# Allegro board TubiiPCB_V6.brd (continued)
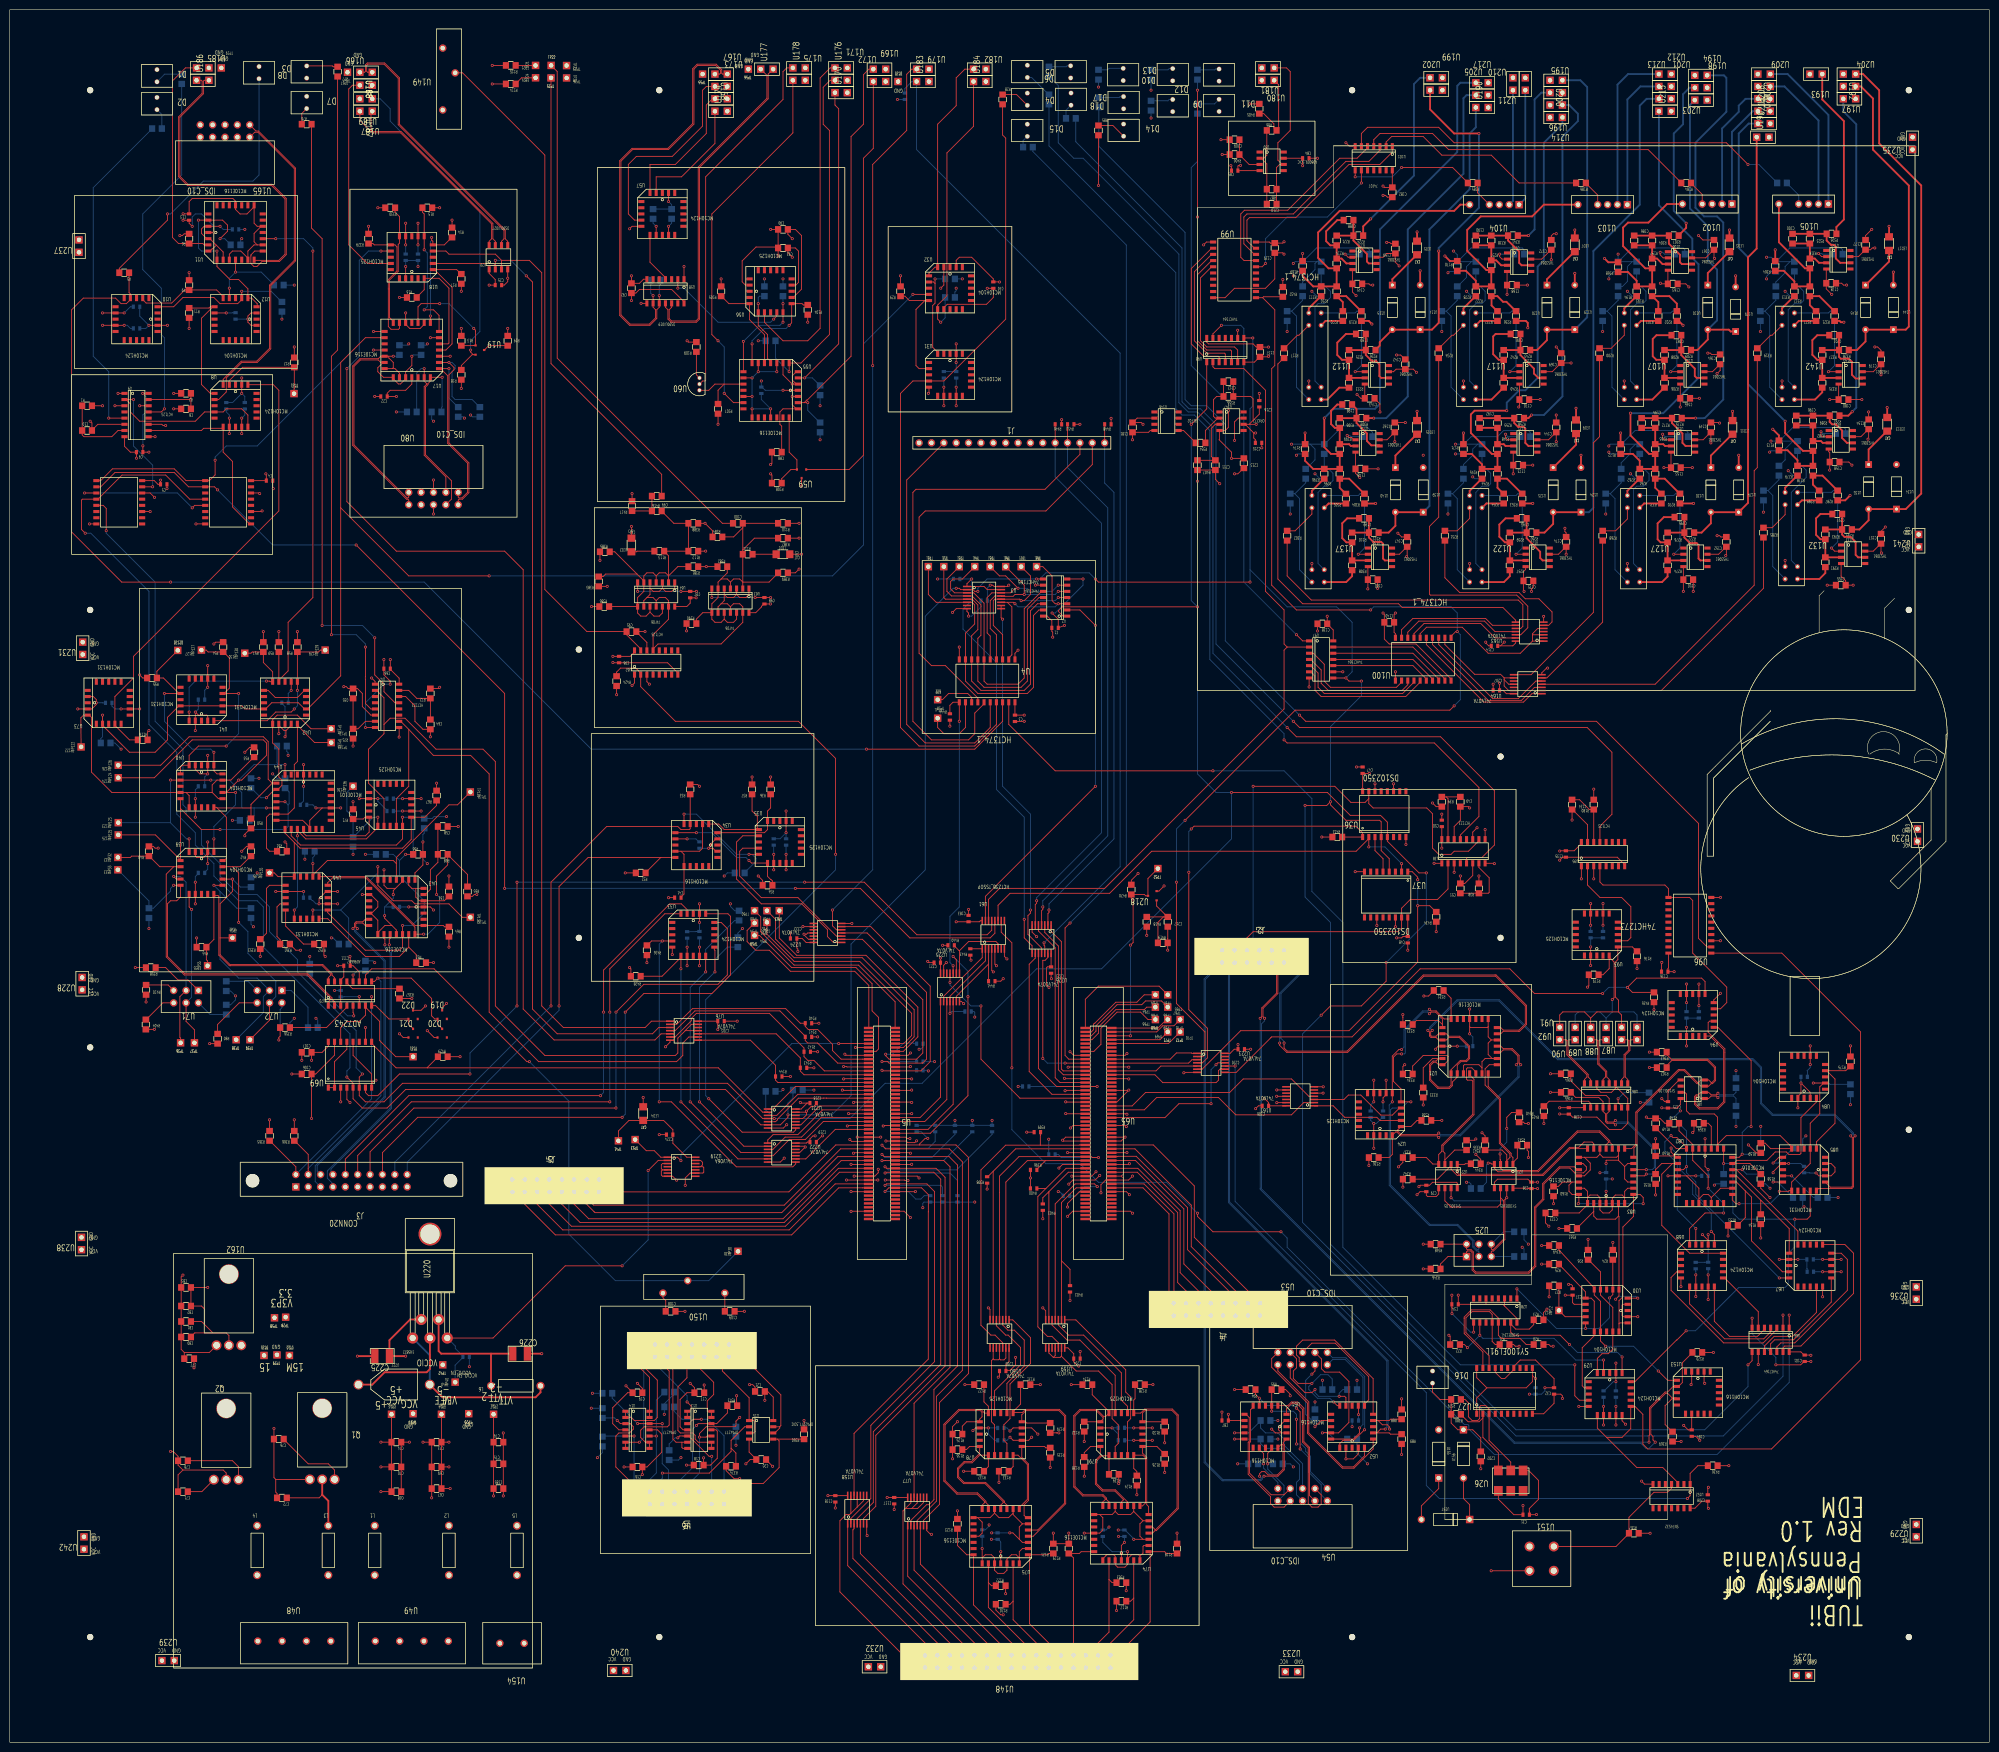
[diagram p0: board, top side]
## Nets (continued)
VTT: C75.2(B<0>) C79.2(B<0>) C185.2(B<0>) L5.2(B<0>) R6.1(A<0>) R7.1(A<0>) R8.1(A<0>) R9.1(A<0>) R10.1(A<0>) R11.1(A<0>) R12.1(A<0>) R13.2(B<0>) R14.2(B<0>) R15.2(B<0>) R16.2(B<0>) R17.2(B<0>) R20.1(A<0>) R21.1(A<0>) R22.1(A<0>) R23.1(A<0>) R24.1(A<0>) R25.1(A<0>) R26.1(A<0>) R27.1(A<0>) R29.1(A<0>) R30.1(A<0>) R31.1(A<0>) R32.1(A<0>) R33.1(A<0>) R34.1(A<0>) R35.1(A<0>) R36.1(A<0>) R37.1(A<0>) R42.1(A<0>) R43.1(A<0>) R44.1(A<0>) R45.1(A<0>) R46.1(A<0>) R48.1(A<0>) R49.1(A<0>) R50.1(A<0>) R51.1(A<0>) R52.1(A<0>) R53.1(A<0>) R54.1(A<0>) R55.1(A<0>) R56.1(A<0>) R57.1(A<0>) R58.1(A<0>) R59.1(A<0>) R60.1(A<0>) R61.1(A<0>) R62.1(A<0>) R63.1(A<0>) R64.1(A<0>) R65.1(A<0>) R67.1(A<0>) R69.1(A<0>) R70.1(A<0>) R71.1(A<0>) R73.2(B<0>) R74.2(B<0>) R84.2(B<0>) R88.1(A<0>) R89.1(A<0>) R90.1(A<0>) R91.1(A<0>) R92.1(A<0>) R93.1(A<0>) R94.1(A<0>) R95.1(A<0>) R96.1(A<0>) R97.1(A<0>) R98.1(A<0>) R99.1(A<0>) R100.1(A<0>) R101.1(A<0>) R102.1(A<0>) R103.1(A<0>) R104.1(A<0>) R105.1(A<0>) R106.1(A<0>) R107.1(A<0>) R116.1(A<0>) R117.1(A<0>) R118.1(A<0>) R119.1(A<0>) R120.1(A<0>) R121.1(A<0>) R122.1(A<0>) R123.1(A<0>) R124.2(B<0>) R125.1(A<0>) R126.2(B<0>) R127.1(A<0>) R128.2(B<0>) R129.1(A<0>) R130.2(B<0>) R131.1(A<0>) R132.2(B<0>) R133.1(A<0>) R134.2(B<0>) R135.1(A<0>) R136.1(A<0>) R137.1(A<0>) R138.2(B<0>) R139.2(B<0>) R148.2(B<0>) R149.2(B<0>) R150.2(B<0>) R151.2(B<0>) R152.2(B<0>) R153.2(B<0>) R154.2(B<0>) R155.2(B<0>) R156.2(B<0>) R157.2(B<0>) R158.1(A<0>) R159.2(B<0>) R160.1(A<0>) R161.1(A<0>) R162.1(A<0>) R163.1(A<0>) R164.1(A<0>) R165.1(A<0>) R166.1(A<0>) R175.1(A<0>) R176.1(A<0>) R177.2(B<0>) R178.2(B<0>) R179.1(A<0>) R187.1(A<0>) R188.1(A<0>) R189.1(A<0>) R190.1(A<0>) R191.1(A<0>) R192.1(A<0>) R329.1(A<0>) R330.1(A<0>) R331.1(A<0>) R332.1(A<0>) R333.1(A<0>) R334.1(A<0>) R335.2(B<0>) R336.1(A<0>) R337.2(B<0>) R338.1(A<0>) R339.1(A<0>) R340.1(A<0>) R341.1(A<0>) R342.2(B<0>) R343.1(A<0>) R344.2(B<0>) R345.1(A<0>) R346.1(A<0>) R347.1(A<0>) R348.1(A<0>) R349.1(A<0>) R363.1(A<0>) R369.2(B<0>) R370.2(B<0>) TP17.1(A)
VTT_RAW: L5.1(A<0>) U154.1

Pads without a net: D19 2; D20 2; D21 2; D22 2; J1 4 5 6 7 8 9 10 11; Q1 4; Q2 4; U1 6 7 9 10 12 13; U3 7; U5 25 29 31 35 37 41 43 56 87 88 89 90 91 92 93 94 97 98 99 100; U7 3 6 7 10 12 13 15; U8 1 6 8 11 14 15 16 17 18; U9 4 12; U10 1 2 4 6 8 9 11 13 14 15 16 17 18 19; U11 9 15 17 18 20 21 23 24 25 26; U12 1 6 11 12 13 14 15 16 17 18 19; U17 2 15; U18 1 2 6 11 16 18 19; U21 2 20 21 23 24; U24 1 2 6 11 13 14 15 16 17 18 19; U26 1 2; U27 4 5 6 7 8 9 12 13 15 16; U28 2 4 5 7 8 11 14; U29 1 4 6 11 15 16 17; U30 1 6 11 16; U31 1 2 4 6 9 11 13 14 15 16 17 18 19; U32 1 6 11 12 13 14 15 16 17 18 19; U33 1 4 5 6 11 15 16 17; U34 1 6 11 15 16 17 18 19; U35 1 2 6 11 13 14 15 16 17 18 19; U36 6 7 9 10 12 13; U37 3 6 7 9 10 12 13; U38 4 12; U39 1 6 11 12 16; U40 1 6 11 12 16; U41 1 4 6 8 9 11 12 13 14 16 18; U42 1 4 6 7 11 15 16 18; U43 9 12 14 15 27 28; U44 2 3 7 17 18 19 20 22 23 24 25 26 27 28; U45 1 2 6 11 13 14 15 16 17 18 19; U46 1 6 7 11 15 16; U47 3 4 11 12; U50 1 5 8; U51 1 6 11 14 16; U52 1 6 11 14 16; U55 15 18 20 21 23 24; U56 1 2 6 11 13 14 15 16 17 18 19; U57 1 4 5 6 11 13 14 15 16 17 18 19; U58 3 5 6 13; U61 7 9; U62 4 5 6 7 9 10 11 12; U65 11 12 13 29 31 35 37 42 44 48 49 50 53 54 55 56 87 88 89 90 91 92 93 94 97 98 99 100; U67 1 4 5 6 11 15 16 17; U68 1 4 5 6 11 15 16 17; U69 11; U73 1 4 6 8 9 11 12 13 14 15 16 17 18 19; U74 20 21 23 24; U75 20 21 23 24; U76 12; U77 8 10; U78 1 2 6 11 16; U79 1 2 6 11 16; U80 3 4; U81 6; U82 2 9 10 11 12 13 15 17 18; U84 1 4 6 8 9 11 12 13 14 15 16 17 18 19; U85 1 3 6 7 11 15 16; U86 11 14; U93 1 2 6 7 8 9 11 13 14 15 16 17 18 19; U94 1 2 6 11 13 14 15 16 17 18 19; U95 5 6 7 9 10 11 12; U96 4 5 6 7 8 9 12 13 14 15 16 17 18 19; U98 10 11 12; U99 6 7 8 9 12 13 14 15; U101 10 11 12 13; U106 1 5 8; U108 1 5 8; U111 1 5 8; U113 1 5 8; U116 1 5 8; U118 1 5 8; U121 1 5 8; U123 1 5 8; U126 1 5 8; U128 1 5 8; U131 1 5 8; U133 1 5 8; U136 1 5 8; U138 1 5 8; U141 1 5 8; U143 1 5 8; U146 1 3 6 7 8; U147 1 5 8; U151 2 4; U152 2 5 6 8 9 10 11 12 13; U153 1 3 6 8 9 11 12 13 14 15 16 17 18 19; U158 8 10; U159 8 10; U160 8 10; U161 6 8 10 12; U162 4; U163 2 4; U164 10 12; U165 3 4 7 8 9 10; U219 4 6 8 10 12; U220 6; U221 10 12; U222 10 12; U223 12 13; U224 8 10 12; U225 12

## Via types
v1: diameter 0.61, hole 0.33, TOP to BOTTOM, 1331 vias

## Routing (per net, layer and track width the routed paths; a pad name or vN(x,y) marks a point on that pad's centre or on a via; arc(x,y) is an arc through that point)
GND: length 5947.8
  TOP w0.178: U4.10 v1(194.94,224.79) ; v1(347.98,73.66) 347.85,73.79 U153.20 ; C123.1 315.31,106.59 v1(315.98,105.92) ; 330.28,119.46 327.76,119.46 327.74,119.43 v1(327.74,118.79) ; 330.28,119.46 330.28,119.43 331.55,118.16 ; 330.28,119.46 330.28,120.47 ; 306.89,89.53 309.43,86.99 U28.16 ; 306.89,89.53 306.53,89.89 303.08,89.89 ; 306.89,89.53 U28.3 ; R80.1 v1(41.04,143.4) ; v1(78.11,217.17) 78.11,217.81 76.81,219.1 C66.2 v1(76.81,222.22) ; v1(200.91,89.15) 201.25,88.81 U160.7 ; C180.2 v1(380.24,275.59) ; v1(230.5,108.59) 230.09,109 U65.95 ; U225.13 191.73,159.48 v1(192.28,160.02) ; U161.7 v1(269.66,134.53) ; C206.2 256.36,130.63 v1(255.78,130.05) ; v1(251.46,260.35) 252.14,260.35 253.31,261.52 C213.1 ; v1(350.52,247.65) 351.04,247.65 351.31,247.38 C152.1 ; U5.72 172.74,118.6 v1(172.72,118.62) ; U161.9 v1(260.12,133.88) ; v1(284.99,248.16) 285.77,247.38 C147.1 ; v1(220.34,238.76) U2.7 ; U44.16 61.59,187.77 ; 61.59,187.77 60.13,189.23 U44.11 ; 61.59,187.77 61.59,189.23 64.14,191.77 ; 331.55,118.16 331.55,115.62 332.18,114.98 U83.7 ; 331.55,118.16 332.18,118.79 U83.10 ; U65.72 216.14,118.6 v1(215.39,117.86) ; U84.2 369.65,133.4 v1(367.74,135.3) 367.74,133.21 367.11,132.57 U84.20 v1(367.11,130.22) ; v1(274.32,328.3) 275.02,327.6 U101.7 ; v1(315.17,72.77) C32.2 317.05,74.65 313.24,78.46 310.11,78.46 308.79,77.13 U27.14 308.79,76.5 306.94,74.65 306.25,74.65 304.98,75.92 U27.17 ; v1(149.86,54.1) 148.72,54.1 147.08,55.74 R374.1 ; 348.69,103.01 U68.20 ; 348.69,103.01 v1(348.69,104.19) ; 348.69,103.01 v1(347.51,104.19) ; 50.17,315.15 50.17,311.79 50.8,311.15 51.63,311.15 ; 50.17,315.15 48.7,313.69 47.28,313.69 46.36,314.61 U11.22 46.36,316.32 45.81,316.87 37.47,316.87 36.83,316.23 C13.2 v1(35.59,313.72) ; 50.17,315.15 U11.19 ; v1(156.21,234.95) C98.1 v1(153.03,234.95) ; 303.53,146.86 303.53,144.78 304.16,144.15 ; 303.53,146.86 U21.19 ; 303.53,146.86 303.35,146.69 299.9,146.69 299.72,146.86 ; U73.20 17.14,214.63 17.78,214 v1(17.78,213.36) 17.78,213.01 16.86,212.09 U73.2 v1(13.97,212.09) ; U5.34 171,133.8 v1(170.94,133.86) ; C173.2 v1(312.67,262.13) ; v1(348.61,285.12) 349.14,285.12 349.41,284.85 C164.1 ; v1(128.91,236.22) U64.7 ; v1(54.24,64.4) C76.1 54.24,54.32 54.61,53.95 ; C41.1 v1(135.25,173.36) ; U81.8 343.04,131.59 342.98,131.53 342.98,130.86 342.29,130.17 C125.2 339.22,130.17 v1(339.17,130.22) ; C88.1 156.48,262.52 v1(156.21,262.25) ; v1(101.33,50.56) C185.1 C75.1 C79.1 v1(101.33,63.48) ; U5.86 172.75,113 v1(172.72,113.03) ; v1(185.17,131.32) 185.08,131.4 U5.39 ; U69.4 69.22,131.95 v1(69.85,131.32) ; C142.1 286.46,283.83 285.56,284.73 v1(284.73,284.73) ; C3.2 208.23,209.5 v1(208.28,209.55) ; v1(130.43,227.97) C95.1 128.64,227.91 130.81,225.74 U62.14 ; 198.72,46.1 201.26,46.1 202.18,47.03 ; 198.72,46.1 199.64,45.18 199.64,42.93 199.01,42.29 U75.22 ; 198.72,46.1 197.87,46.1 ; v1(331.72,65.28) 331.02,65.98 U29.13 ; v1(138.68,114.3) 138.68,115.82 139.69,116.83 U219.9 142.3,116.83 142.48,117.01 142.48,117.95 142.3,118.13 141.84,118.13 ; U95.8 331.55,180.13 330.02,181.66 C135.1 318.82,181.66 v1(318.21,181.05) ; U1.11 v1(28.83,252.6) ; R352.2 64.5,161.56 v1(64.77,161.29) ; v1(324.56,159.43) U93.20 v1(324.56,163.24) ; U47.14 81.28,214.63 83.19,212.73 83.19,209.55 84.82,207.91 C64.1 v1(86.36,206.38) ; U55.10 v1(153.67,281.31) ; C222.1 v1(160.27,166.12) ; U21.7 298.45,138.89 298.63,139.06 301.62,139.06 302.26,138.43 ; 304.34,140.34 302.89,140.34 302.26,139.7 302.26,138.43 ; 304.34,140.34 303.53,141.15 303.53,143.51 304.16,144.15 ; 304.34,140.34 U21.13 ; v1(280.03,127) v1(280.03,121.92) ; v1(40.64,184.78) U39.20 40.64,182.44 ; v1(84.84,61.59) C73.1 C69.1 C67.1 86.63,50.18 v1(86.61,50.16) ; C178.2 376.1,299.47 376.48,299.08 v1(377.11,299.08) ; v1(82.55,152.65) 82.03,152.65 82.01,152.67 R357.1 ; 302.26,138.43 U21.10 ; v1(186.69,115.82) 186.31,116.2 U5.77 ; U80.6 v1(87,259.08) ; U159.7 212.68,88.56 v1(212.09,89.15) ; R359.1 345.79,125.41 v1(345.52,125.14) ; U221.7 158.84,126.07 v1(159.51,126.75) ; v1(319.28,249.17) 319.28,248.49 319.53,248.23 C174.1 ; 278.13,178.69 v1(276.22,178.69) ; C20.2 155.27,57.98 v1(156.61,56.64) ; C183.2 v1(196.85,170.94) ; U9.9 v1(29.85,267.97) ; v1(351.03,270.76) 350.92,270.88 C149.1 ; v1(128.86,73.66) 129.87,72.65 C19.2 ; U82.14 346.79,111.52 ; 346.79,111.52 346.79,113.71 344.25,116.25 ; 346.79,111.52 347.71,112.44 348.69,112.44 349.33,111.81 ; U65.46 216.82,129 v1(216.79,129.03) ; C202.1 v1(302.01,56.13) ; v1(185.17,136.14) 185.11,136.2 U5.27 ; U17.7 v1(90.42,284.48) ; 232.66,41.66 233.81,41.66 ; 232.66,41.66 v1(230.76,41.66) ; 232.66,41.66 232.03,42.29 232.03,44.83 232.66,45.47 ; v1(194.31,283.21) U31.20 v1(194.31,287.02) ; 16.88,269.29 18.09,270.51 U9.6 ; 16.88,269.29 16.88,270.78 v1(16.51,271.14) ; 16.88,269.29 C10.1 ; U95.3 v1(325.2,177.21) ; v1(56.52,206.38) 56.71,206.57 56.71,207.64 ; v1(229.36,121.03) 229.33,121 U65.65 ; v1(173.23,131.32) 173.31,131.4 U5.40 ; C117.1 v1(181.58,47.78) ; v1(200.91,64.52) U78.20 198.28,64.52 v1(197.74,63.97) ; U42.2 57.78,208.72 56.71,207.64 ; v1(171.96,126.49) 172.07,126.6 U5.52 ; U28.6 303.08,89.89 ; 303.08,89.89 C34.1 v1(297.39,91.77) ; v1(229.36,128.91) 229.27,129 U65.45 ; 56.71,207.64 56.32,207.64 55.25,208.72 ; 299.72,146.86 v1(299.72,145.41) ; 299.72,146.86 U21.22 v1(299.72,150.5) ; 344.25,116.25 v1(346.15,116.25) ; 344.25,116.25 U82.8 v1(340.44,116.25) ; 207.9,44.83 U75.10 ; 207.9,44.83 205.99,46.74 205.99,47.03 ; 207.9,44.83 207.26,44.2 207.26,41.66 ; v1(210.82,165.35) 209.89,166.28 U226.7 ; v1(54.1,257.3) 54,257.4 C4.2 ; 75.56,166.18 77.03,167.64 78.45,167.64 ; 75.56,166.18 U43.19 ; 75.56,166.18 75.56,168.72 74.1,170.18 ; U221.13 163.36,129.32 v1(163.58,129.54) ; U163.7 v1(314.91,231.09) ; v1(196.85,231.14) 196.85,231.77 196.52,232.11 U3.8 194.32,232.67 v1(193.55,231.9) ; U219.11 141.84,118.13 ; 141.84,118.13 142.21,118.5 142.21,119.05 141.84,119.43 U219.13 ; v1(344.25,142.92) U94.20 v1(344.25,146.73) ; 78.45,167.64 76.96,169.13 v1(76.96,169.67) ; 78.45,167.64 79.38,166.72 U43.22 ; v1(166.88,124.46) 166.75,124.46 165.61,123.32 C219.2 ; U65.51 229,126.6 v1(229.24,126.37) ; U43.7 80.65,176.72 79.18,175.26 ; v1(28.57,290.83) U10.20 v1(32.39,290.83) ; v1(281.3,273.05) 281.3,274.68 280.2,275.79 C143.2 ; v1(369.77,78.15) C101.1 368.38,78.15 367.69,77.47 v1(362.58,77.47) ; 326.47,120.7 327.09,120.08 329.89,120.08 330.28,120.47 ; 326.47,120.7 325.83,120.06 323.29,120.06 ; 326.47,120.7 U83.16 ; 205.99,47.03 205.07,46.1 203.11,46.1 202.18,47.03 ; 205.99,47.03 U75.13 ; v1(216.53,229.24) C1.1 215.27,230.5 v1(214,231.77) ; 230.76,47.37 230.12,46.74 227.58,46.74 226.95,47.37 ; 230.76,47.37 230.76,48.51 ; 230.76,47.37 232.66,45.47 ; U222.13 163.16,122.34 v1(163.32,122.17) 162.18,121.04 U222.11 ; U224.13 163.98,164.81 163.07,165.72 v1(163.07,165.86) 163.59,165.86 163.84,166.11 U224.11 ; U218.2 235.93,174.7 v1(236.98,175.75) ; U11.10 48.89,304.61 ; 48.89,304.61 47.43,306.07 45.72,306.07 45.08,305.44 U11.7 ; 48.89,304.61 48.89,306.07 50.17,307.34 50.8,307.34 ; U85.2 373.91,118.79 374.73,117.98 374.73,117.07 373.91,116.25 U85.20 371.43,116.25 v1(370.84,116.84) ; 40.64,182.44 39.81,181.61 38.39,181.61 38.1,181.9 U39.2 ; 40.64,182.44 v1(40.64,180.34) ; 202.18,47.03 U75.16 ; U76.7 135.56,143.69 v1(134.62,142.75) ; Q2.2 44.44,55.26 43.81,55.88 35.56,55.88 ; 74.3,135.22 74.3,137.16 70.48,140.97 70.48,143.76 ; 74.3,135.22 74.97,135.89 v1(75.18,135.89) ; 74.3,135.22 U69.8 ; U96.10 v1(351.23,173.4) ; C216.1 v1(256.54,276.86) ; U38.9 v1(302.89,187.33) ; U59.3 v1(162.57,257.82) ; v1(127.63,300.99) C92.1 129.27,299.45 130.11,300.29 U58.7 ; 54.61,53.95 54.61,51.34 54.88,51.07 C72.1 ; 54.61,53.95 Q1.1 ; C224.2 v1(133.35,124.71) ; U65.21 229.7,138.6 v1(229.74,138.56) ; U95.15 323.93,188.33 320.8,191.45 C134.1 v1(320.75,189.28) ; U83.13 330.28,120.47 ; U12.2 49.53,293.37 48.89,292.73 v1(48.89,292.1) 48.89,291.47 49.53,290.83 U12.20 ; 79.18,175.26 77.47,175.26 76.84,175.9 v1(76.84,179.07) ; 79.18,175.26 78.74,174.82 v1(78.74,173.99) ; v1(310.67,48.59) C31.2 308.79,46.71 305.62,49.88 U26.3 ; U34.20 144.97,182.88 144.36,183.49 v1(143.48,183.49) 143.86,183.86 143.86,184.3 144.97,185.42 U34.2 ; v1(184.91,107.7) 183.61,109 U5.95 ; U5.33 185.11,133.8 v1(185.17,133.86) ; 64.14,191.77 U44.21 v1(67.95,191.77) ; 64.14,191.77 v1(62.87,191.77) ; 226.95,47.37 226.31,46.74 223.77,46.74 ; 226.95,47.37 U74.16 ; v1(26.01,263.55) C9.2 24.76,264.8 23.56,266 U9.8 ; R365.1 v1(53.34,127.76) ; U5.51 179.43,126.6 v1(179.32,126.49) ; v1(248.41,258.32) 247.52,259.21 C211.1 R407.1 v1(243.84,258.83) ; 50.8,307.34 U11.13 ; 50.8,307.34 50.17,307.98 50.17,309.69 51.63,311.15 ; v1(348.74,52.32) 348.61,52.2 C208.2 ; C21.2 153.02,72.9 152.51,73.41 v1(151.89,73.41) ; C118.1 v1(169.49,48.08) ; U65.22 217.34,138.6 v1(217.3,138.56) ; U38.8 304.74,180.4 v1(304.8,180.34) ; U100.10 295.91,218.22 288.71,225.43 283.21,225.43 282.21,226.43 C140.2 282.21,231.51 v1(281.94,231.77) ; R167.1 v1(336.77,42.9) ; v1(329.75,77.82) U29.20 v1(329.75,74.01) ; 55.25,208.72 v1(55.25,207.01) ; 55.25,208.72 U42.20 ; U65.15 229.01,141 v1(229.36,141.35) ; U86.6 325.83,134.21 326.64,133.4 328.83,133.4 329.64,134.21 329.64,134.67 ; v1(185.17,118.62) 185.15,118.6 U5.71 ; v1(382.9,286.38) 383.49,286.38 384.17,285.7 C179.1 ; v1(297.81,177.8) C51.1 298.72,176.26 300.35,177.9 U38.6 ; U70.3 U70.14 67.95,156.46 68.58,157.1 68.58,159.38 v1(67.31,159.38) ; v1(345.19,73.41) 345.31,73.53 U153.2 ; C215.1 v1(257.05,265.68) ; U7.8 v1(38.23,250.06) ; 51.63,311.15 U11.16 ; C167.1 347.61,308.34 v1(346.71,309.25) ; v1(171.2,138.68) 171.81,138.68 171.89,138.6 U5.22 ; v1(248.67,328.93) C209.1 R406.1 v1(248.92,325.88) ; U100.1 v1(284.48,219.71) ; v1(159,119.89) 158.2,119.09 U222.7 ; U219.5 134.01,117.48 ; 134.01,117.48 133.77,117.71 133.77,118.54 134.01,118.78 U219.3 ; 134.01,117.48 133.77,117.24 133.77,116.41 134.01,116.18 U219.7 136.1,116.18 v1(136.91,115.37) ; R18.2 v1(92.71,277.88) ; v1(217.17,109.86) 217.17,110.58 219.59,113 U65.86 ; 323.29,120.06 U83.19 ; 323.29,120.06 324.48,118.87 324.48,117.45 323.29,116.25 U83.22 ; v1(51.82,252.73) 51.69,252.6 U7.11 ; v1(220.6,42.93) U74.22 223.77,42.93 C113.1 224.41,46.1 223.77,46.74 ; v1(38.1,207.64) U41.20 v1(38.1,211.45) 38.73,210.82 40.46,210.82 40.64,210.64 U41.2 ; C223.2 213.79,156.79 v1(213.87,156.72) ; v1(171.45,141.22) 171.67,141 U5.16 ; U22.8 297.18,114.76 297,114.94 292.1,114.94 291.49,114.33 C29.1 289.59,114.33 v1(289.31,114.05) ; U47.1 74.99,217.74 v1(74.3,218.44) ; U164.7 314.53,219.5 315.5,220.47 v1(315.72,220.47) ; v1(195.83,151.6) 195.37,152.07 U225.7 ; v1(229.87,112.4) 229.27,113 U65.85 ; v1(140.97,236.22) C97.1 v1(137.8,236.22) ; U224.7 v1(172.89,168.06) ; C157.1 384.17,248.54 v1(385.06,249.43) ; U43.16 74.1,170.18 ; 74.1,170.18 74.3,170.18 75.56,171.45 75.56,172.53 74.1,173.99 U43.13 v1(72.39,173.99) ; C182.1 282.83,317.13 282.46,317.5 v1(281.94,317.5) ; LED2.1 v1(127.63,249.56) ; C47.1 v1(276.5,200.18) ; U65.52 218.31,126.6 v1(217.78,126.08) ; 207.26,41.66 205.94,42.98 v1(205.31,42.98) ; 207.26,41.66 207.9,41.02 209.04,41.02 ; U51.2 261.81,66.04 260.47,64.7 260.47,64.14 261.11,63.5 ; v1(82.04,61.59) C74.2 C70.2 C68.2 ; v1(191.13,298.45) 191.77,299.08 U32.2 ; U69.10 v1(73.03,146.69) ; v1(286.51,270.88) C162.1 ; C5.1 v1(32.28,257.33) ; C220.1 v1(254.76,142.24) ; C155.2 v1(373.13,237.49) ; v1(81.28,293.37) U17.16 81.28,291.02 82.11,290.19 84.26,290.19 85.09,291.02 U17.13 ; U74.19 223.77,46.74 ; U52.2 276.86,59.18 275.84,58.17 v1(274.32,58.17) U52.20 ; U57.20 v1(135.25,316.23) ; v1(378.21,262.13) 377.57,262.76 C158.2 ; v1(317.5,309.63) 316.92,309.63 316.48,309.19 C172.1 ; C25.2 101.53,299.08 102.23,299.79 v1(102.23,300.48) U20.4 ; C138.1 v1(268.48,228.09) ; C50.2 v1(294,190.5) ; 232.66,45.47 233.81,45.47 ; C106.2 v1(57.91,137.16) ; v1(156.21,310.51) C90.2 157.75,306.9 153.21,306.9 150.37,304.05 150.37,299.76 151.04,299.08 U56.20 ; v1(163.58,129.54) 163.58,128.78 162.82,128.02 U221.11 ; v1(163.58,129.54) 164.49,130.45 165,130.45 165.61,131.06 C218.2 ; U62.8 137.16,219.46 135.05,221.56 C96.2 123.88,221.56 v1(123.83,221.62) ; U38.1 v1(292.42,180.4) ; v1(229.74,136.14) 229.69,136.2 U65.27 ; v1(47.62,280.04) v1(47.62,276.86) ; 349.33,111.81 351.23,113.71 U82.20 ; 349.33,111.81 U82.16 ; v1(303.02,225.81) 303.02,225.65 303.63,225.04 C214.1 ; 35.56,55.88 34.56,56.88 C78.1 34.56,58.69 33.56,59.69 v1(33.02,59.69) ; 35.56,55.88 34.56,54.88 C71.1 ; C18.2 v1(138.95,56.89) ; v1(261.62,305.44) 261.35,305.7 C139.2 259.71,300.36 257.78,298.42 251.43,298.42 249.5,296.49 U99.10 ; v1(141.6,168.28) v1(141.6,172.09) ; R417.1 v1(127.76,256.29) ; U152.7 335.63,52.99 v1(335.03,53.59) ; v1(149.35,148.01) C203.1 ; U65.28 216.61,136.2 v1(216.53,136.27) ; U5.15 184.43,141 v1(184.91,141.48) ; U40.2 38.1,199.68 39.02,198.75 v1(40.64,198.75) U40.20 v1(40.64,202.56) ; C61.1 v1(90.17,177.8) ; v1(204.72,160.78) 204.21,161.3 U61.8 ; v1(144.15,234.95) U63.7 ; C109.2 v1(150.82,88.45) ; C159.1 283.58,307.58 283.31,307.85 v1(282.7,307.85) ; U77.7 188.25,43.46 189.04,42.67 v1(189.23,42.67) ; U1.8 v1(16.38,250.06) ; R353.2 v1(51.44,161.29) ; v1(346.96,61.98) 346.15,62.79 C184.2 ; v1(334.23,87.35) U30.20 331.31,87.35 331.02,87.64 331.02,89.71 331.2,89.89 U30.2 ; U5.21 184.83,138.6 v1(184.91,138.68) ; C77.1 35.83,80.01 ; 35.83,80.01 35.19,80.65 C80.1 C81.1 C82.1 C83.2 35.19,95.52 v1(35.56,95.88) ; 35.83,80.01 41,80.01 U162.1 ; C22.2 v1(74.93,276.23) ; C148.2 v1(280.92,261.37) ; U161.13 v1(260.13,131.28) ; U5.66 173.32,121 v1(173.23,120.9) ; 296.54,185.36 296.54,187.96 297.81,189.23 C49.1 299.45,192.04 v1(299.72,191.77) ; C168.2 v1(311.58,299.08) ; v1(279.83,299.08) 279.31,299.08 279.05,299.34 C145.2 ; v1(312.42,236.22) 312.42,236.74 312.79,237.11 C175.2 ; v1(250.7,323.6) 250.83,323.47 C85.1 ; 284.1,195.2 v1(284.1,196.72) ; v1(237.73,162.58) R419.1 237.73,164.99 237.74,165 C217.1 ; U55.13 v1(152.4,280.04) ; R358.1 v1(25.78,159) ; v1(216.66,133.73) 216.73,133.8 U65.34 ; U5.46 172.25,129 v1(172.21,129.03) ; v1(68.58,216.66) 69.1,216.66 69.5,216.27 C65.1 71.39,216.27 72.39,215.26 72.39,212.57 74.14,210.82 U47.6 ; v1(67.31,172.09) U46.20 v1(63.5,172.09) 63.5,173.16 64.96,174.62 v1(67.31,174.62) ; C16.1 v1(126.12,56.5) ; U146.4 234.16,269.24 233.79,268.87 C181.2 v1(230.5,267.33) ; 304.16,144.15 U21.16 ; U5.28 171.25,136.2 v1(171.2,136.14) ; R351.2 57.52,163.78 58.73,162.56 v1(59.69,162.56) ; U65.66 217.2,121 v1(217.17,121.03) ; v1(313.66,113.64) C28.1 311.76,113.64 311.67,113.73 U23.8 ; U5.45 185.13,129 v1(185.17,129.03) ; C207.1 v1(304.55,217.17) ; v1(241.05,137.41) 241.13,137.5 U223.7 ; U17.10 v1(86.36,288.29) ; 229.68,133.8 227.28,131.4 U65.39 ; 229.68,133.8 v1(229.74,133.86) ; 229.68,133.8 U65.33 ; U18.20 v1(81.28,302.89) ; U65.71 229.73,118.6 v1(229.87,118.75) ; v1(71.76,193.68) U45.20 v1(75.56,193.68) ; v1(258.44,284.48) 258.32,284.36 C137.1 256.63,284.36 255.54,283.27 U98.7 ; 329.64,134.67 U86.3 ; 329.64,134.67 332.18,132.13 U86.16 332.18,127.05 330.91,125.78 328.37,125.78 325.83,128.32 320.83,128.32 320.22,128.93 C128.2 318.24,128.93 v1(318.21,128.95) ; U9.1 v1(22.22,276.86) ; v1(217.17,107.95) 218.22,109 U65.96 ; v1(339.17,160.07) 339.12,160.02 C136.2 ; U5.65 184.82,121 v1(184.91,120.9) ; U55.22 v1(156.21,273.69) ; v1(188.47,160.27) 188.72,160.02 C221.1 ; v1(317.5,272.42) C144.1 ; C58.2 v1(92.08,187.96) ; v1(367.11,99.11) U67.20 v1(363.3,99.11) ; v1(203.2,299.72) 203.17,299.75 C40.1 201.93,300.36 197.49,304.8 194.94,304.8 194.31,304.17 U32.20 ; U97.7 v1(266.76,216.6) ; R366.1 v1(58.42,127.76) ; C205.1 203.2,75.18 v1(202.95,74.93) ; U17.22 v1(74.68,285.75) ; U99.1 245.69,307.92 v1(245.11,307.34) ; C154.1 v1(381.63,273.05) ; 261.11,63.5 U51.20 ; 261.11,63.5 259.84,63.5 v1(259.08,64.26) ; v1(382.27,310.51) 381,309.25 C177.1 ; C153.2 v1(345.44,261.62) ; U158.7 175.94,42.5 v1(176.02,42.42) ; C169.1 v1(317.5,286.38) ; U17.19 v1(74.68,289.56) ; v1(217.68,141.73) 218.41,141 U65.16 ; v1(159.38,191.13) v1(159.38,186.69) ; C87.2 v1(248.87,67.77) ; C150.2 345.63,238.6 v1(345.63,236.22) ; U65.40 216.83,131.4 v1(216.79,131.44) ; U9.14 v1(26.67,274.32) ; R169.1 v1(265.43,305.56) ; U95.1 v1(322.66,177.21) ; C48.1 v1(287.02,162.56) ; U65.77 v1(228.48,116.2) ; LED1.1 v1(162.56,243.84) ; v1(185.93,113.03) 185.9,113 U5.85 ; v1(127.76,216.92) 128.27,217.42 U62.1 ; U5.96 172.75,109 v1(172.72,108.97) ; C107.2 v1(59.96,139.97) ; U55.16 v1(152.4,276.23) ; U37.11 v1(280.67,167.64) ; C17.2 v1(142.57,73.33) ; U47.8 v1(73.03,208.28) ; U161.11 v1(260.1,132.58) ; v1(346.89,275.84) C165.2 ; v1(149.22,71.12) 149.22,69.2 R373.1 ; R404.1 v1(29.7,146.32) ; C93.1 v1(157.75,305.07) ; U224.9 v1(162.84,167.41) ; C84.2 v1(268.48,325.12) ; R405.1 v1(254.52,336.28) ; U55.7 v1(157.48,281.31) ; C8.1 v1(33.66,273.69) ; C204.1 v1(219.76,80.21) ; C37.1 320.86,93.69 320.56,93.98 v1(320.04,93.98) ; U66.7 v1(357.71,87.04) ; U47.9 v1(79.95,206.31) ; C160.2 v1(280.83,236.86) ; v1(55.25,144.15) 55.25,144.67 55.51,144.94 R356.1 ; C108.1 v1(138.63,88.45) ; U80.5 v1(87,252.1) ; U161.5 v1(269.63,133.23) ; R350.1 v1(163.07,66.04) ; C170.2 v1(314.2,275.59) ; U36.8 v1(286.64,184.28) ; U58.8 v1(129.6,295.34) ; C163.2 344.09,299.34 v1(344.73,298.7) ; U55.19 v1(152.4,273.69) ; v1(226.31,64.52) U79.20
  TOP w0.381: U129.2 v1(354.96,264.16) ; R202.2 342.63,291.73 v1(343.53,290.83) ; v1(311.66,290.32) 311.66,291.34 311.26,291.73 R236.2 ; R304.2 v1(280.42,254.25) ; v1(279.65,291.08) 279,291.73 R219.2 ; R168.1 328.18,303.77 v1(327.41,304.55) ; 289.56,299.08 v1(289.56,302.02) ; v1(376.55,291.47) 375.93,291.47 375.66,291.73 R321.2 ; R287.2 376.82,254.9 v1(377.82,255.91) ; R171.1 v1(298.45,268.73) ; R170.1 295.67,304.02 v1(294.64,305.05) ; U109.2 v1(354.33,300.99) ; v1(345.69,254.27) R270.2 ; U124.2 v1(322.58,264.16) ; v1(361.95,269.49) 363.22,268.22 R173.1 ; 321.31,299.08 v1(321.31,301.5) ; U227.2 74.42,73.41 76.96,75.95 85.6,75.95 86.27,76.62 U220.3 ; R172.1 v1(330.71,268.73) ; R364.1 v1(362.46,306.32) ; R174.1 v1(265.94,268.73) ; C225.2 v1(71.37,79.25) ; C226.2 v1(109.22,79.76) ; v1(312.67,254.27) R253.2 ; 386.71,299.08 v1(386.71,301.75)